# Altium PCB Edison_arduino_5_0826.PcbDoc (part 2 of 6) (continued)
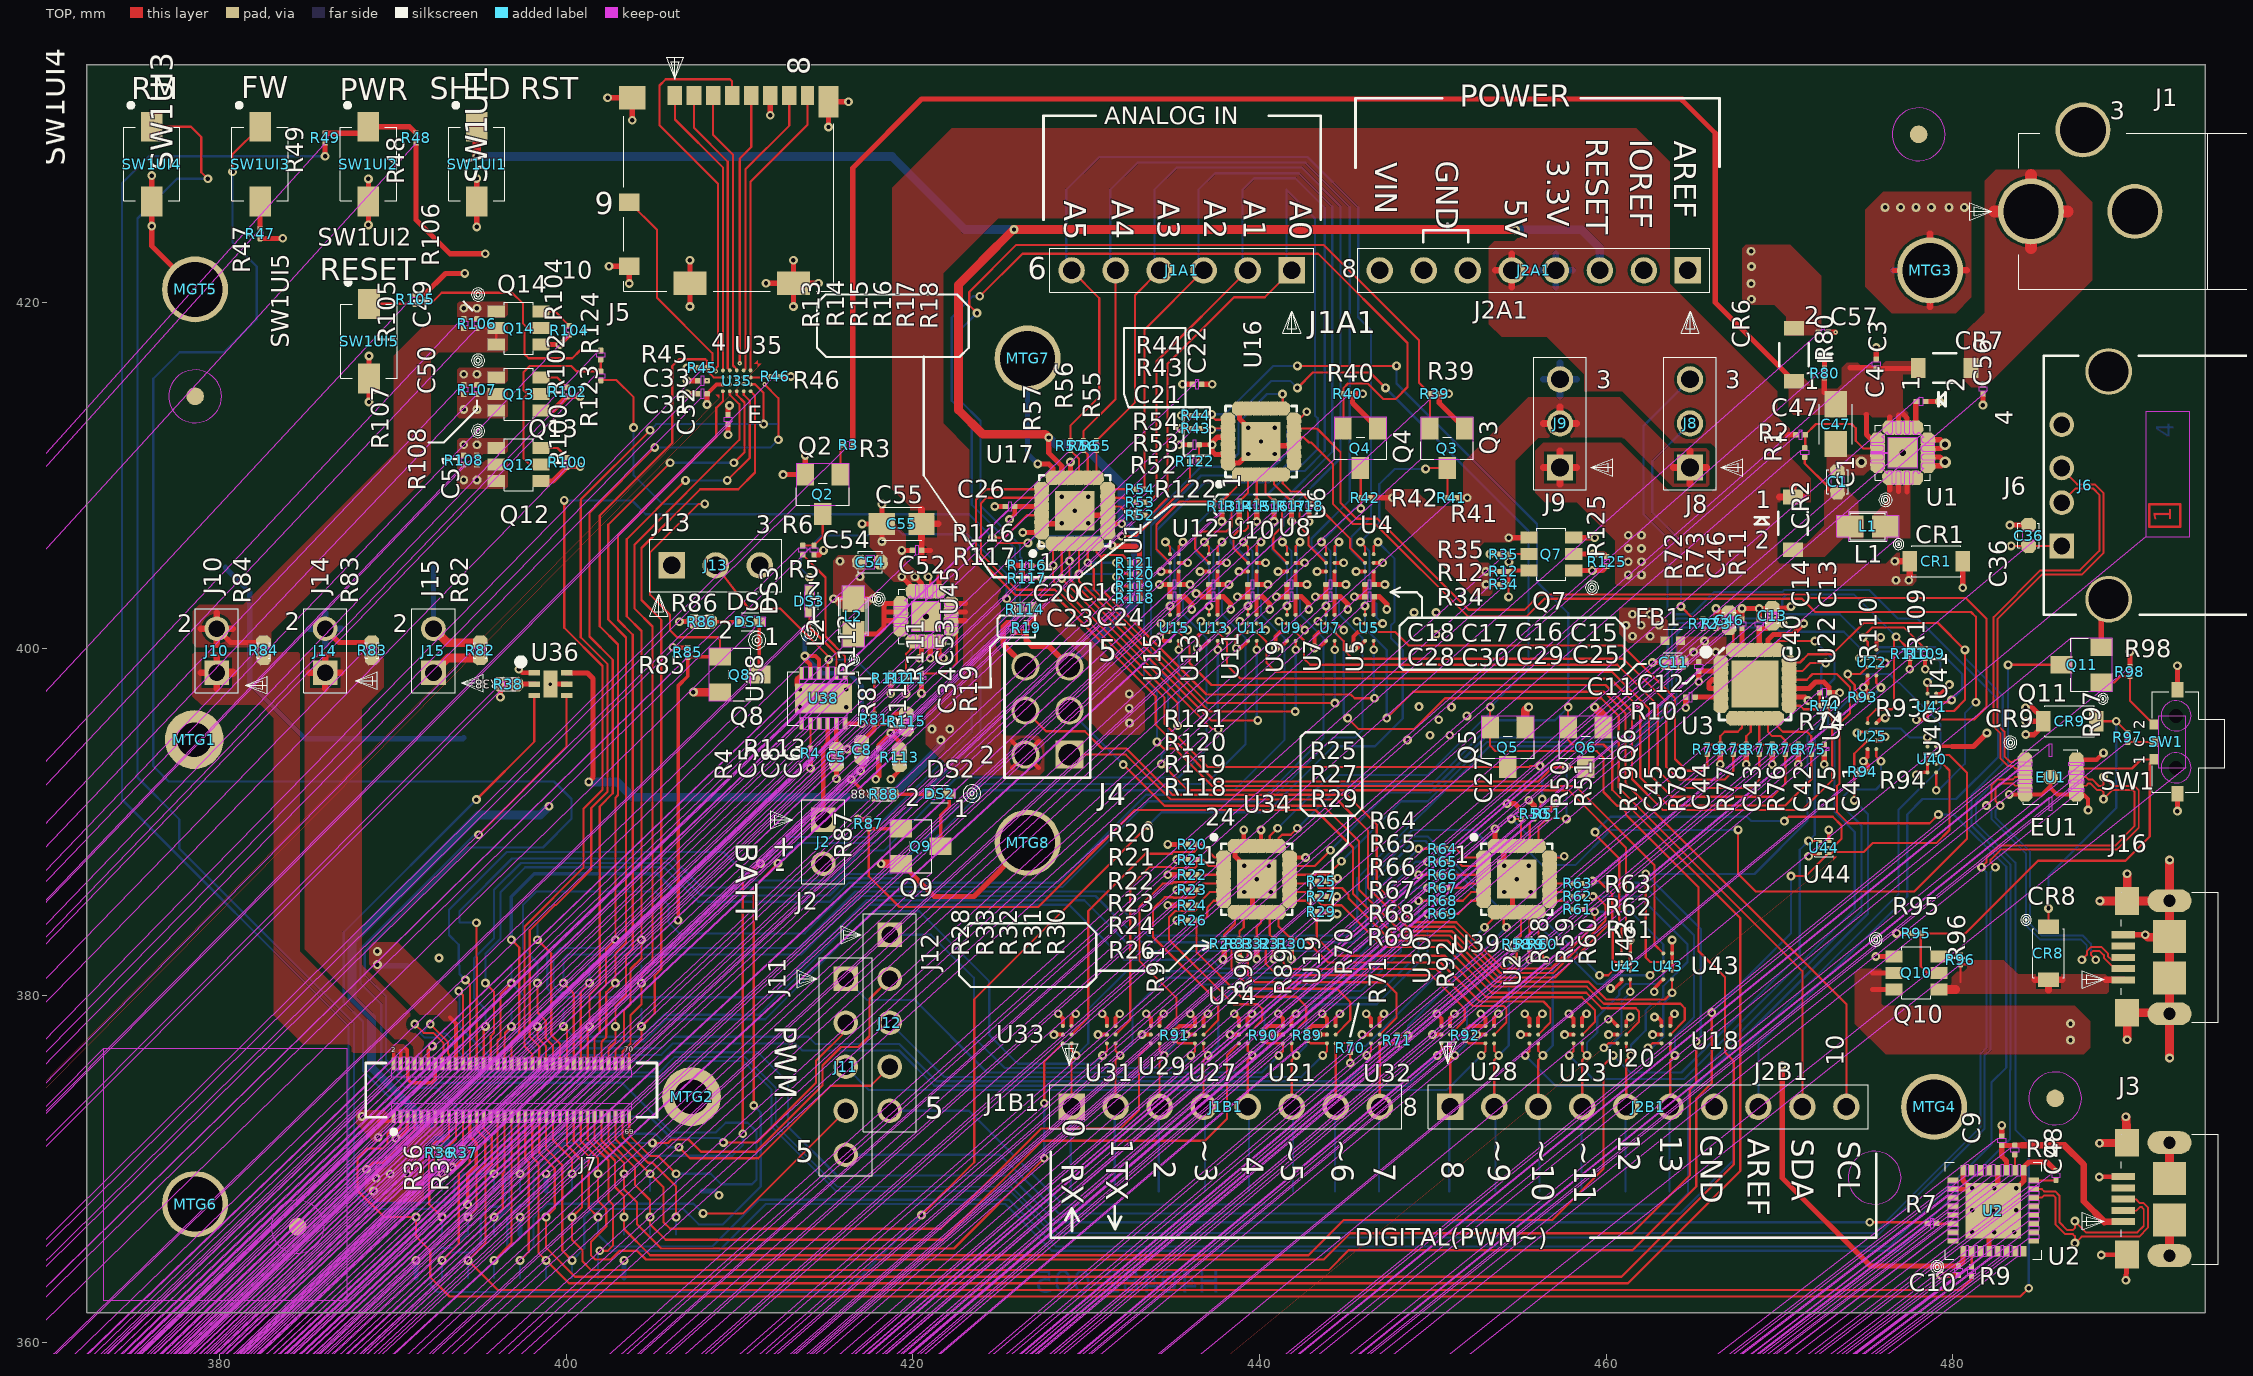
[diagram p0: TOP view]
## Nets (pads, with @x,y where several pads share a name; then routed paths per layer and width w, separated by ;. In a path a pad name is that pad's centre, name@x,y a point inside that pad or via, vN(x,y) a via of type N, cw(c..) or ccw(c..) an arc to the next point about the centre after c; other vN are vias at no path point) (continued)
DIG8: J2B1.1 R58.2 TP78.1 U30.C2 | length 16.4
  TOP w0.127: U30.C2@451,377.248 451,376.817 v1(451.268,376.549) 451,376.28 451,373.586 J2B1.1@451.002,373.583 ; v1(454.635,382.041) 454.839,382.245 R58.2@454.839,382.688
  BOTTOM w0.127: TP78.1@450.952,368.706 450.952,373.532 J2B1.1@451.002,373.583 ; v1(451.268,376.549) 451.968,377.248 451.968,379.374 v1(454.635,382.041)
DIG9: J2B1.2 R59.2 TP79.1 U28.C2 | length 15.7
  TOP w0.127: U28.C2@453.54,377.248 453.54,376.817 v1(453.808,376.549) 453.54,376.28 453.54,373.586 J2B1.2@453.542,373.583 ; v1(455.589,382.073) R59.2@455.589,382.688
  BOTTOM w0.127: J2B1.2@453.542,373.583 453.619,373.507 TP79.1@453.619,368.706 ; v1(453.808,376.549) 454.381,377.121 454.381,380.865 v1(455.589,382.073)
DIG10: J2B1.3 R60.2 TP80.1 U26.C2 | length 15.4
  TOP w0.127: U26.C2@456.08,377.248 456.08,376.817 v1(456.348,376.549) 456.08,376.28 456.08,373.586 J2B1.3@456.082,373.583 ; R60.2@456.339,382.688 456.339,382.242 v1(456.54,382.041)
  BOTTOM w0.127: J2B1.3@456.082,373.583 456.159,373.507 TP80.1@456.159,368.706 ; v1(456.348,376.549) 456.921,377.121 456.921,381.66 v1(456.54,382.041)
DIG11: J2B1.4 J4.4 R61.2 TP81.1 U23.C2 | length 66.4
  TOP w0.127: J4.4@426.491,396.443 427.685,395.249 429.924,395.249 430.913,394.26 432.31,394.26 434.977,391.593 445.039,391.593 446.761,389.872 446.761,386.359 448.893,384.227 451.36,384.227 454.027,381.56 456.821,381.56 459.334,384.073 v1(459.334,384.835) 459.198,384.971 R61.2@458.622,384.971 ; U23.C2@458.62,377.248 458.62,376.817 v1(458.888,376.549) 458.62,376.28 458.62,373.586 J2B1.4@458.622,373.583
  BOTTOM w0.127: TP81.1@458.572,368.706 458.572,373.532 J2B1.4@458.622,373.583 ; v1(458.888,376.549) 458.888,377.278 459.488,377.877 459.488,378.766 460.758,380.036 460.758,380.29 461.139,380.671 462.917,380.671 463.298,381.052 463.298,382.957 461.42,384.835 v1(459.334,384.835)
DIG12: J2B1.5 J4.1 R62.2 TP82.1 U20.C2 | length 65.1
  TOP w0.127: J4.1@429.031,393.903 432.286,393.903 434.877,391.312 444.475,391.312 446.253,389.534 446.253,386.232 448.512,383.973 451.233,383.973 453.9,381.306 456.948,381.306 459.969,384.327 459.969,385.216 459.464,385.721 v1(459.237,385.721) R62.2@458.622,385.721 ; U20.C2@461.16,377.248 461.16,376.817 v1(461.428,376.549) 461.16,376.28 461.16,373.586 J2B1.5@461.162,373.583
  BOTTOM w0.127: v1(459.237,385.721) 461.931,385.721 464.695,382.957 464.695,381.941 463.298,380.544 463.298,379.909 462.917,379.528 462.663,379.528 462.282,379.147 462.282,378.004 461.428,377.151 v1(461.428,376.549) ; TP82.1@461.112,368.706 461.112,373.532 J2B1.5@461.162,373.583
DIG13: J2B1.6 J4.3 R63.2 TP83.1 U18.C2 | length 67.6
  TOP w0.127: v1(432.143,393.332) 434.516,390.958 443.686,390.958 445.745,388.899 445.745,386.105 448.131,383.719 451.106,383.719 453.773,381.052 457.075,381.052 460.35,384.327 460.35,385.851 459.588,386.613 v1(459.207,386.613) 459.065,386.471 R63.2@458.622,386.471 ; U18.C2@463.7,377.248 463.7,376.817 v1(463.968,376.549) 463.7,376.28 463.7,373.586 J2B1.6@463.702,373.583
  BOTTOM w0.127: J4.3@429.031,396.443 v1(432.143,393.332) ; v1(459.207,386.613) 459.307,386.513 462.028,386.513 465.076,383.465 465.076,378.766 463.968,377.659 v1(463.968,376.549) ; TP83.1@463.652,368.706 463.652,373.532 J2B1.6@463.702,373.583
DIG13_1P8: Q9.1 R87.1 U18.C1 U43.A1 | length 65.8
  TOP w0.127: R87.1@417.457,389.636 417.457,386.888 419.229,385.116 427.23,385.116 432.818,390.704 443.232,390.704 445.391,388.545 445.391,385.878 447.804,383.465 450.979,383.465 453.646,380.798 458.98,380.798 459.996,379.782 463.425,379.782 v1(463.806,380.163) 463.802,380.167 U43.A1@463.802,380.937 ; v1(462.409,376.988) 462.669,377.248 U18.C1@463.197,377.248
  TOP w0.2: R87.1@417.457,389.636 Q9.1@419.311,389.636
  BOTTOM w0.127: v1(462.409,376.988) 462.663,376.988 463.298,377.623 463.298,379.528 463.806,380.036 v1(463.806,380.163)
FAULT: J7.19 R36.1 TP19.1 U36.3 | length 39.9
  TOP w0.127: v1(392.839,369.721) 392.354,370.206 392.354,371.066 392.481,371.193 R36.1@392.706,371.193 393.113,371.193 393.639,371.719 J7.19@393.639,373.015 ; v1(394.818,391.312) 398.158,394.653 U36.3@398.158,397.321
  BOTTOM w0.127: TP19.1@392.839,368.721 v1(392.839,369.721) 392.838,369.722 392.838,371.098 388.276,375.659 388.276,378.507 387.162,379.621 387.162,383.657 v1(394.818,391.312)
FW_RCVR: J7.69 SW1UI3.1 TP63.1 | length 127
  TOP w0.127: v1(380.748,427.534) 380.748,428.539 SW1UI3.1@382.339,430.13 ; J7.69@403.639,373.015 403.639,371.95 404.851,370.738 405.322,370.738 v1(406.339,369.721)
  BOTTOM w0.127: v1(380.748,427.534) 380.748,423.47 382.145,422.073 382.145,419.025 380.24,417.12 377.7,417.12 376.176,415.596 376.176,393.244 377.065,392.355 399.29,392.355 400.306,391.339 400.306,390.196 398.655,388.545 394.337,388.545 388.381,382.59 388.381,381.171 389.608,379.944 389.608,376.294 390.933,374.968 403.215,374.968 406.084,372.099 408.624,372.099 409.196,372.67 410.466,372.67 410.974,372.162 410.974,369.368 410.72,369.114 408.942,369.114 408.335,369.721 v1(406.339,369.721) TP63.1@406.339,368.721
GND: C1.2 C3.1 C4.2 C5.2 C6.1 C8.2 C9.1 C10.1 C11.2 C12.1 C13.2 C14.1 C15.1 C16.1 C17.1 C18.1 C19.1 C20.1 C21.1 C22.1 C23.1 C24.1 C25.1 C26.1 C27.1 C28.1 C29.1 C30.1 C31.1 C32.1 C33.1 C34.2 C36.2 C40.2 C41.2 C42.2 C43.2 C44.2 C45.2 C46.2 C47.2 C48.1 C49.1 C50.1 C51.1 C52.1 C53.2 C54.2 C55.2 C56.1 C57.1 EU1.5 EU1.6 EU1.11 J1.2 J2.2 J2A1.6 J2A1.7 J2B1.7 J3.5 J3.MT1 J3.MT2 J3.MT3 J3.MT4 J3.MT5 J3.MT6 J4.6 J5.6 J5.10 J5.G1 J5.G2 J5.G3 J5.G4 J6.4 J6.MH1 J6.MH2 J7.1 J7.5 J7.9 J7.11 J7.13 J7.15 J13.3 J16.5 J16.MT1 J16.MT2 J16.MT3 J16.MT4 J16.MT5 J16.MT6 MGT5.1 MTG1.1 MTG2.1 MTG3.1 MTG4.1 MTG7.1 MTG8.1 Q2.2 Q7.1 Q8.2 Q9.2 Q10.1 Q11.2 Q12.1 Q13.1 Q14.1 R4.1 R6.2 R10.1 R11.1 R13.1 R14.1 R15.1 R16.1 R17.1 R18.1 R20.1 R21.1 R22.1 R23.1 R24.1 R25.1 R26.1 R27.1 R28.1 R29.1 R30.1 R31.1 R32.1 R33.1 R35.1 R37.2 R38.2 R73.1 R80.1 R95.1 R98.1 R106.2 R107.2 R108.2 R109.1 R110.1 R112.1 R125.1 SW1.3 SW1.4 SW1UI1.2 SW1UI2.2 SW1UI4.2 SW1UI5.2 TP2.1 TP6.1 TP10.1 TP12.1 TP13.1 TP15.1 U1.5 U1.6 U1.7 U1.8 U1.15 U1.16 U1.17 U2.4 U2.17 U2.20 U2.24 U2.26 U2.33 U3.2 U3.15 U3.20 U4.B1 U5.C1 U5.D1 U6.B1 U7.C1 U7.D1 U8.B1 U9.C1 U9.D1 U10.B1 U11.C1 U11.D1 U12.B1 U13.C1 U13.D1 U14.B1 U15.C1 U15.D1 U16.9 U16.18 U16.24 U16.25 U17.9 U17.18 U17.23 U17.24 U17.25 U18.B1 U19.B1 U20.B1 U21.B1 U22.B1 U22.C1 U22.D1 U23.B1 U24.B1 U25.B1 U25.C1 U25.D1 U26.B1 U27.B1 U28.B1 U29.B1 U30.B1 U31.B1 U32.B1 U33.B1 U34.9 U34.24 U34.25 U35.C2 U35.C3 U36.5 U36.7 U38.6 U38.13 U39.9 U39.23 U39.24 U39.25 U40.B1 U40.C1 U40.D1 U41.B1 U41.C1 U41.D1 U42.B1 U42.C1 U42.D1 U43.B1 U43.C1 U43.D1 U44.3 U45.6 U45.7 U45.8 U45.15 U45.16 U45.17 | length 462.6
  TOP w0.2: 389.158,372.755 389.153,372.76 389.839,372.76 390.039,372.96 J7.1@390.039,373.015 ; v1(390.169,371.78) 390.322,371.78 390.839,372.297 J7.5@390.839,373.015 ; U42.B1@461.389,381.437 U42.C1@461.389,381.937 U42.D1@461.389,382.437 461.389,383.207 v1(461.393,383.211) ; U43.B1@463.802,381.437 U43.C1@463.802,381.937 U43.D1@463.802,382.437 463.802,383.207 v1(463.806,383.211) ; U44.3@472.844,388.895 v1(472.844,389.561) ; v1(477.903,392.736) 478.042,392.875 U40.D1@478.542,392.875 U40.C1@478.542,393.375 U40.B1@478.542,393.875 ; v1(477.903,395.911) 477.915,395.923 U41.D1@478.542,395.923 U41.C1@478.542,396.423
  TOP w0.203: U41.C1@478.542,396.423 U41.B1@478.542,396.923
  TOP w0.23: v1(428.139,377.749) U33.B1@428.653,377.749 ; v1(430.679,377.749) U31.B1@431.193,377.749 ; v1(433.219,377.749) U29.B1@433.733,377.749 ; U15.D1@434.839,400.471 434.48,400.471 v1(434.241,400.71) 434.502,400.971 U15.C1@434.839,400.971 ; U14.B1@435.34,404.971 v1(435.854,404.971) ; v1(435.759,377.749) U27.B1@436.273,377.749 ; U13.D1@437.089,400.471 436.667,400.05 v1(436.414,400.05) 436.414,400.71 436.675,400.971 U13.C1@437.089,400.971 ; U12.B1@437.59,404.971 v1(438.104,404.971) ; v1(438.299,377.749) U24.B1@438.813,377.749 ; U11.D1@439.339,400.471 438.917,400.05 v1(438.664,400.05) 438.664,400.71 438.925,400.971 U11.C1@439.339,400.971 ; U10.B1@439.84,404.971 v1(440.354,404.971) ; v1(440.839,377.749) U21.B1@441.353,377.749 ; U9.D1@441.589,400.471 441.167,400.05 v1(440.914,400.05) 440.914,400.71 441.175,400.971 U9.C1@441.589,400.971 ; U8.B1@442.09,404.971 v1(442.604,404.971) ; v1(443.379,377.749) U19.B1@443.893,377.749 ; U7.D1@443.839,400.471 443.417,400.05 v1(443.164,400.05) 443.164,400.71 443.425,400.971 U7.C1@443.839,400.971 ; U6.B1@444.34,404.971 v1(444.854,404.971) ; v1(445.919,377.749) U32.B1@446.433,377.749 ; U5.D1@446.089,400.471 445.667,400.05 v1(445.414,400.05) 445.414,400.71 445.675,400.971 U5.C1@446.089,400.971 ; U4.B1@446.59,404.971 v1(447.104,404.971) ; v1(449.983,377.749) U30.B1@450.497,377.749 ; v1(452.523,377.749) U28.B1@453.037,377.749 ; v1(455.063,377.749) U26.B1@455.577,377.749 ; v1(457.603,377.749) U23.B1@458.117,377.749 ; v1(460.143,377.749) U20.B1@460.657,377.749 ; v1(462.683,377.749) U18.B1@463.197,377.749 ; U25.B1@475.589,394.721 475.883,394.721 v1(476.098,394.936) 475.813,395.221 U25.C1@475.589,395.221 ; U25.D1@475.589,395.721 475.887,396.019 v1(476.098,396.019) ; U22.B1@475.589,398.971 475.883,398.971 v1(476.098,399.186) 475.813,399.471 U22.C1@475.589,399.471 ; U22.D1@475.589,399.971 475.589,400.424 v1(475.836,400.671) ; v1(477.522,398.832) R110.1@477.522,399.467 ; v1(478.411,398.832) R109.1@478.411,399.467 ; v1(483.253,391.61) EU1.5@484.17,391.61 485.158,391.61 485.643,392.095 ; EU1.11@485.643,392.609 485.643,392.095 ; v1(487.809,390.704) 487.809,391.339 487.538,391.61 EU1.6@487.129,391.61 486.014,391.61 485.643,391.981 485.643,392.095
  TOP w0.25: U38.6@413.589,398.606 413.589,398.527 413.438,398.376 413.408,398.376 413.335,398.303 413.335,398.273 413.309,398.247 413.309,397.894 414.052,397.151 v1(414.839,397.151) ; v1(435.358,411.786) C21.1@435.98,411.786
  TOP w0.3: v1(376.089,427.313) SW1UI4.2@376.089,425.812 v1(376.089,424.399) 376.089,423.249 MGT5.1@378.587,420.751 ; v1(388.589,424.465) SW1UI2.2@388.589,425.812 v1(388.589,427.12) ; v1(388.622,414.249) SW1UI5.2@388.622,415.596 v1(388.622,416.904) ; v1(393.421,370.103) 393.675,370.103 394.029,370.457 R37.2@394.029,370.671 ; v1(394.839,424.353) SW1UI1.2@394.839,425.812 v1(394.839,427.147) ; v1(396.2,397.211) R38.2@396.2,397.971 ; U36.7@399.089,397.971 U36.5@400.019,397.971 ; v1(402.39,431.803) J5.G1@403.812,431.803 v1(403.812,430.507) ; v1(402.469,422.078) J5.10@403.637,422.078 v1(403.637,421.087) ; v1(406.974,414.721) C31.1@407.589,414.721 ; v1(406.974,415.471) C33.1@407.589,415.471 ; v1(407.137,419.762) J5.G4@407.137,421.103 v1(407.137,422.426) ; v1(409.339,412.356) C32.1@409.339,412.971 ; v1(411.527,421.103) J5.G3@413.107,421.103 ; v1(411.772,430.797) J5.6@411.772,431.928 ; v1(412.516,410.063) Q2.2@413.787,410.063 v1(413.787,411.17) ; v1(413.107,419.762) J5.G3@413.107,421.103 ; v1(413.107,422.426) J5.G3@413.107,421.103 ; v1(414.089,393.123) R4.1@414.089,393.721 ; R6.2@414.3,405.435 414.601,405.435 414.844,405.678 v1(414.844,405.69) ; v1(414.557,421.103) J5.G3@413.107,421.103 ; v1(415.132,430.118) J5.G2@415.132,431.578 v1(416.287,431.578) ; v1(415.589,392.512) C5.2@415.589,393.332 ; v1(416.984,392.963) 417.048,393.028 C8.2@417.048,393.728 ; v1(417.07,407.214) C55.2@418.213,407.214 ; v1(417.855,392.481) 418.034,392.66 C6.1@418.034,393.718 ; v1(418.213,406.198) C55.2@418.213,407.214 ; v1(418.213,408.357) C55.2@418.213,407.214 ; v1(418.721,397.435) R112.1@418.721,398.058 ; Q9.2@419.311,387.604 419.354,387.604 421.234,385.724 423.52,385.724 MTG8.1@426.618,388.823 ; v1(419.356,404.166) 420.003,403.519 U45.16@420.003,403.328 ; v1(419.356,405.69) C52.1@419.978,405.69 ; v1(420.118,404.166) 420.504,403.78 U45.15@420.504,403.328 ; v1(420.372,399.467) 420.501,399.597 U45.6@420.501,400.433 ; v1(420.499,397.435) C53.2@420.499,398.058 ; U45.7@421.001,400.433 421.001,399.473 v1(421.007,399.467) ; U45.8@421.502,400.433 421.502,399.734 v1(421.769,399.467) ; v1(424.724,408.221) C26.1@425.339,408.221 ; v1(426.336,406.721) U17.24@427.433,406.721 ; v1(427.203,410.68) 427.838,410.68 428.089,410.429 U17.18@428.089,409.877 ; U17.23@427.433,407.221 428.589,407.221 v1(429.339,407.971) 429.589,407.721 U17.9@431.244,407.721 ; v1(434.224,403.721) C20.1@434.839,403.721 C23.1@434.839,403.016 ; v1(434.707,385.216) 434.708,385.217 R24.1@435.839,385.217 ; v1(434.707,386.97) 434.708,386.971 R22.1@435.839,386.971 ; v1(434.707,388.724) 434.708,388.725 R20.1@435.839,388.725 ; v1(435.224,384.34) R26.1@435.839,384.34 ; v1(435.224,386.094) R23.1@435.839,386.094 ; v1(435.224,387.848) R21.1@435.839,387.848 ; v1(436.342,403.195) 436.289,403.195 436.289,403.272 436.339,403.222 436.489,403.222 436.695,403.016 C24.1@437.089,403.016 C19.1@437.089,403.721 ; C22.1@436.659,415.272 v1(437.274,415.272) ; v1(437.831,407.356) R13.1@437.831,407.971 ; v1(437.896,382.092) 437.962,382.158 R28.1@437.962,382.721 ; U16.24@438.183,410.721 438.569,410.721 438.571,410.724 438.822,410.724 v1(439.35,411.251) ; U34.24@438.589,388.627 438.589,388.04 v1(439.127,387.502) ; v1(438.724,403.016) C28.1@439.339,403.016 C18.1@439.339,403.721 ; v1(438.835,407.356) R14.1@438.835,407.971 ; v1(438.839,382.106) R33.1@438.839,382.721 ; U16.18@438.839,413.877 438.839,413.286 v1(439.35,412.775) ; U34.9@439.589,384.816 439.589,386.471 v1(439.839,386.721) ; v1(439.839,382.106) R32.1@439.839,382.721 ; v1(439.839,407.356) R15.1@439.839,407.971 ; v1(440.089,411.971) 440.339,411.721 U16.9@441.994,411.721 ; v1(440.843,382.106) R31.1@440.843,382.721 ; v1(440.843,407.356) R16.1@440.843,407.971 ; v1(440.974,403.016) C30.1@441.589,403.016 C17.1@441.589,403.721 ; v1(441.847,382.106) R30.1@441.847,382.721 ; v1(441.847,407.356) R17.1@441.847,407.971 ; v1(442.851,407.356) R18.1@442.851,407.971 ; v1(443.224,403.016) C29.1@443.839,403.016 C16.1@443.839,403.721 ; R29.1@443.839,384.844 444.339,384.844 v1(444.475,384.708) ; R27.1@443.839,385.721 v1(444.454,385.721) ; R25.1@443.839,386.598 444.333,386.598 v1(444.5,386.766) ; v1(445.474,403.016) C25.1@446.089,403.016 C15.1@446.089,403.721 ; v1(453.3,405.471) R35.1@453.839,405.471 ; U39.24@453.589,388.627 v1(453.589,389.631) ; U39.23@454.089,388.627 454.089,387.54 v1(454.127,387.502) ; v1(454.281,391.085) 454.725,391.085 C27.1@455.089,390.721 ; U39.9@454.589,384.816 454.589,386.471 v1(454.839,386.721) ; Q7.1@458.134,404.521 v1(459.206,404.521) 459.788,404.521 R125.1@460.039,404.772 ; v1(462.671,399.221) C11.2@463.45,399.221 ; v1(464.589,396.606) R10.1@464.589,397.221 ; v1(465.339,398.106) C12.1@465.339,398.721 U3.2@466.614,398.721 ; R73.1@466.339,401.721 v1(466.339,402.336) 466.565,402.11 C46.2@467.089,402.11 467.613,402.11 v1(467.839,402.336) ; v1(466.589,393.34) C45.2@466.589,393.955 ; R11.1@467.839,401.721 v1(467.839,402.336) ; v1(468.089,393.34) C44.2@468.089,393.955 ; C14.1@468.839,401.721 v1(468.839,402.336) ; U3.20@469.339,399.946 469.339,400.537 469.639,400.837 470.764,400.837 v1(471.399,401.472) ; v1(469.589,393.34) C43.2@469.589,393.955 ; U3.15@470.564,397.721 471.712,397.721 472.082,398.092 472.555,398.092 472.855,397.792 C40.2@472.855,397.471 v1(473.47,397.471) ; v1(470.664,402.452) 470.572,402.36 C13.2@469.589,402.36 469.565,402.336 v1(468.839,402.336) ; v1(471.089,393.34) C42.2@471.089,393.955 ; v1(472.589,393.34) C41.2@472.589,393.955 ; R80.1@472.601,416.184 v1(472.601,416.831) ; C57.1@472.789,418.272 v2(473.239,418.272) ; v1(475.556,382.256) Q10.1@476.608,382.256 ; C3.1@475.589,416.721 v1(475.589,417.394) ; 476.608,421.843 MTG3.1@478.688,421.843 ; v1(476.76,383.592) R95.1@477.636,383.592 ; C4.2@478.435,414.274 v1(479.23,414.274) ; U1.5@478.561,410.57 479.34,410.57 v3(479.555,410.784) 479.269,411.07 U1.6@478.561,411.07 ; U1.7@478.561,411.57 479.325,411.57 v3(479.555,411.8) 479.285,412.071 U1.8@478.561,412.071 ; v1(479.3,363.86) C10.1@480.328,363.86 ; U2.26@480.013,368.84 481.087,368.84 v1(481.127,368.879) ; U2.24@480.597,369.925 480.597,369.341 v1(482.348,367.59) ; v1(481.739,414.072) C56.1@481.739,414.722 ; U2.4@482.096,365.256 482.096,366.039 v1(482.397,366.339) ; v1(482.397,368.879) 482.599,369.082 U2.20@482.599,369.925 ; C9.1@482.828,371.894 v1(482.828,372.512) ; v1(483.298,407.148) C36.2@484.38,407.148 ; v1(483.667,368.879) 484.098,369.311 U2.17@484.098,369.925 484.098,370.103 484.398,370.403 485.445,370.403 C48.1@485.953,369.895 ; v1(488.451,369.537) J3.5@489.833,369.559 ; v1(488.564,365.037) J3.MT5@490.058,365.06 v1(489.99,363.583) ; Q11.2@488.571,400.1 488.571,402.449 J6.MH1@488.995,402.873 ; J16.5@489.833,383.511 v1(491.109,383.511) ; R98.1@490.222,398.959 v1(490.222,399.848) ; v1(492.959,390.647) SW1.3@492.959,391.641 ; SW1.4@492.959,397.641 v1(492.959,399.029) ; v1(467.839,402.336) v1(468.839,402.336)
  TOP w0.33: C34.2@425.79,401.51 425.451,401.51 425.218,401.276 425.218,400.257 J4.6@426.491,398.983
  TOP w0.381: 478.688,419.735 MTG3.1@478.688,421.843 ; 478.688,423.952 MTG3.1@478.688,421.843 ; 480.797,421.843 MTG3.1@478.688,421.843
  TOP w0.5: v1(407.34,397.51) Q8.2@408.864,397.51 ; v1(418.16,387.604) Q9.2@419.311,387.604 ; v1(488.464,371.487) J3.MT6@490.058,371.509 v1(489.99,373.009) ; v1(488.487,385.461) J16.MT6@490.058,385.461 ; v1(490.058,377.45) J16.MT5@490.058,379.012 491.957,379.012 J16.MT3@492.508,378.461 ; v1(490.058,387.032) J16.MT6@490.058,385.461 ; v1(491.109,383.511) 491.258,383.362 J16.MT2@492.508,383.362 ; J3.MT3@492.508,365 J3.MT1@492.508,367.059 ; J3.MT2@492.508,369.46 J3.MT4@492.508,371.519 ; v1(492.508,376.401) J16.MT3@492.508,378.461 ; v1(492.508,387.827) J16.MT4@492.508,385.962 ; J16.MT6@490.058,385.461 492.007,385.461 J16.MT4@492.508,385.962 ; J16.MT3@492.508,378.461 J16.MT3@492.508,378.952 J16.MT1@492.508,381.011 J16.MT2@492.508,383.362 ; J16.MT2@492.508,383.362 J16.MT2@492.508,383.412 J16.MT4@492.508,385.471 J16.MT4@492.508,385.962
  GND w0.254: 425.721,398.213 J4.6@426.491,398.983 ; 425.721,399.753 J4.6@426.491,398.983 ; 427.262,398.213 J4.6@426.491,398.983 ; 427.262,399.753 J4.6@426.491,398.983 ; 485.587,412.247 J6.4@486.285,412.945 ; 485.587,413.642 J6.4@486.285,412.945 ; 486.982,412.247 J6.4@486.285,412.945 ; 486.982,413.642 J6.4@486.285,412.945
  GND w0.381: 376.479,420.751 MGT5.1@378.587,420.751 ; 376.828,394.772 MTG1.1@378.539,394.772 ; 378.539,393.061 MTG1.1@378.539,394.772 ; 378.539,396.484 MTG1.1@378.539,394.772 ; 378.587,418.643 MGT5.1@378.587,420.751 ; 378.587,422.859 MGT5.1@378.587,420.751 ; 380.251,394.772 MTG1.1@378.539,394.772 ; 380.695,420.751 MGT5.1@378.587,420.751 ; 405.518,374.172 MTG2.1@407.229,374.172 ; 407.229,372.461 MTG2.1@407.229,374.172 ; 407.229,375.884 MTG2.1@407.229,374.172 ; 408.941,374.172 MTG2.1@407.229,374.172 ; 410.203,404.821 J13.3@411.169,404.821 ; 411.169,403.856 J13.3@411.169,404.821 ; 411.169,405.787 J13.3@411.169,404.821 ; 412.134,404.821 J13.3@411.169,404.821 ; 413.924,387.604 J2.2@414.839,387.604 ; 414.839,386.689 J2.2@414.839,387.604 ; 414.839,388.519 J2.2@414.839,387.604 ; 415.753,387.604 J2.2@414.839,387.604 ; 424.51,388.823 MTG8.1@426.618,388.823 ; 424.51,416.763 MTG7.1@426.618,416.763 ; 426.618,386.715 MTG8.1@426.618,388.823 ; 426.618,390.932 MTG8.1@426.618,388.823 ; 426.618,414.655 MTG7.1@426.618,416.763 ; 426.618,418.872 MTG7.1@426.618,416.763 ; 428.727,388.823 MTG8.1@426.618,388.823 ; 428.727,416.763 MTG7.1@426.618,416.763 ; 448.513,421.843 J2A1.7@449.478,421.843 ; 449.478,420.878 J2A1.7@449.478,421.843 ; 449.478,422.809 J2A1.7@449.478,421.843 ; 450.444,421.843 J2A1.7@449.478,421.843 ; 451.053,421.843 J2A1.6@452.018,421.843 ; 452.018,420.878 J2A1.6@452.018,421.843 ; 452.018,422.809 J2A1.6@452.018,421.843 ; 452.984,421.843 J2A1.6@452.018,421.843 ; 465.277,373.583 J2B1.7@466.242,373.583 ; 466.242,372.618 J2B1.7@466.242,373.583 ; 466.242,374.549 J2B1.7@466.242,373.583 ; 467.208,373.583 J2B1.7@466.242,373.583 ; 476.58,421.843 MTG3.1@478.688,421.843 ; 476.81,373.583 MTG4.1@478.918,373.583 ; 478.688,419.735 MTG3.1@478.688,421.843 ; 478.688,423.952 MTG3.1@478.688,421.843 ; 478.918,371.475 MTG4.1@478.918,373.583 ; 478.918,375.692 MTG4.1@478.918,373.583 ; 480.797,421.843 MTG3.1@478.688,421.843 ; 481.027,373.583 MTG4.1@478.918,373.583 ; 488.716,425.248 J1.2@490.507,425.248 ; 490.507,423.457 J1.2@490.507,425.248 ; 490.507,427.039 J1.2@490.507,425.248 ; 491.034,365 J3.MT3@492.508,365 ; 491.034,371.519 J3.MT4@492.508,371.519 ; 491.034,378.952 J16.MT3@492.508,378.952 ; 491.034,385.471 J16.MT4@492.508,385.471 ; 492.298,425.248 J1.2@490.507,425.248 ; 492.508,364.136 J3.MT3@492.508,365 ; 492.508,365.863 J3.MT3@492.508,365 ; 492.508,370.655 J3.MT4@492.508,371.519 ; 492.508,372.383 J3.MT4@492.508,371.519 ; 492.508,378.088 J16.MT3@492.508,378.952 ; 492.508,379.815 J16.MT3@492.508,378.952 ; 492.508,384.607 J16.MT4@492.508,385.471 ; 492.508,386.335 J16.MT4@492.508,385.471
  GND w0.406: 487.848,401.726 J6.MH1@488.995,402.873 ; 487.848,404.021 J6.MH1@488.995,402.873 ; 487.848,414.866 J6.MH2@488.995,416.013 ; 487.848,417.16 J6.MH2@488.995,416.013 ; 490.142,401.726 J6.MH1@488.995,402.873 ; 490.142,404.021 J6.MH1@488.995,402.873 ; 490.142,414.866 J6.MH2@488.995,416.013 ; 490.142,417.16 J6.MH2@488.995,416.013
  PWR_GND w0.254: 485.587,412.247 J6.4@486.285,412.945 ; 485.587,413.642 J6.4@486.285,412.945 ; 486.982,412.247 J6.4@486.285,412.945 ; 486.982,413.642 J6.4@486.285,412.945
  PWR_GND w0.381: 376.479,420.751 MGT5.1@378.587,420.751 ; 376.828,394.772 MTG1.1@378.539,394.772 ; 378.539,393.061 MTG1.1@378.539,394.772 ; 378.539,396.484 MTG1.1@378.539,394.772 ; 378.587,418.643 MGT5.1@378.587,420.751 ; 378.587,422.859 MGT5.1@378.587,420.751 ; 380.251,394.772 MTG1.1@378.539,394.772 ; 380.695,420.751 MGT5.1@378.587,420.751 ; 405.518,374.172 MTG2.1@407.229,374.172 ; 407.229,372.461 MTG2.1@407.229,374.172 ; 407.229,375.884 MTG2.1@407.229,374.172 ; 408.941,374.172 MTG2.1@407.229,374.172 ; 476.58,421.843 MTG3.1@478.688,421.843 ; 476.81,373.583 MTG4.1@478.918,373.583 ; 478.688,419.735 MTG3.1@478.688,421.843 ; 478.688,423.952 MTG3.1@478.688,421.843 ; 478.918,371.475 MTG4.1@478.918,373.583 ; 478.918,375.692 MTG4.1@478.918,373.583 ; 480.797,421.843 MTG3.1@478.688,421.843 ; 481.027,373.583 MTG4.1@478.918,373.583 ; 488.716,425.248 J1.2@490.507,425.248 ; 490.507,423.457 J1.2@490.507,425.248 ; 490.507,427.039 J1.2@490.507,425.248 ; 491.034,378.952 J16.MT3@492.508,378.952 492.508,379.815 ; 491.034,385.471 J16.MT4@492.508,385.471 ; 492.298,425.248 J1.2@490.507,425.248 ; 492.508,384.607 J16.MT4@492.508,385.471 ; 492.508,386.335 J16.MT4@492.508,385.471
  PWR_GND w0.406: 487.848,401.726 J6.MH1@488.995,402.873 ; 487.848,404.021 J6.MH1@488.995,402.873 ; 487.848,414.866 J6.MH2@488.995,416.013 ; 487.848,417.16 J6.MH2@488.995,416.013 ; 490.142,401.726 J6.MH1@488.995,402.873 ; 490.142,404.021 J6.MH1@488.995,402.873 ; 490.142,414.866 J6.MH2@488.995,416.013 ; 490.142,417.16 J6.MH2@488.995,416.013
  BOTTOM w0.3: v1(388.884,368.721) TP6.1@389.839,368.721 v1(389.839,369.721) ; TP2.1@391.339,363.721 v1(391.339,364.721) ; TP12.1@397.339,366.221 v1(397.339,367.221) ; TP10.1@398.839,368.721 v1(398.839,369.721) ; TP15.1@403.339,363.721 v1(403.339,364.721) ; TP13.1@407.839,368.721 408.573,368.721 v1(408.815,368.479) ; MTG7.1@426.618,416.763 426.618,411.265 v1(427.203,410.68)
  BOTTOM w0.381: 476.58,421.843 MTG3.1@478.688,421.843 ; 478.688,419.735 MTG3.1@478.688,421.843 ; 478.688,423.952 MTG3.1@478.688,421.843 ; 480.797,421.843 MTG3.1@478.688,421.843
  other v1: 481.127,366.339 483.54,366.339 481.127,367.609 483.667,367.609 389.026,369.468 390.83,369.697 389.158,371.826 388.219,373.03 439.127,385.978 440.651,385.978 454.127,385.978 455.651,385.978 440.524,387.502 455.524,387.502 413.487,396.646 416.154,396.646 413.487,397.662 416.154,397.662 428.6,407.251 430.124,407.251 428.6,408.775 430.124,408.775 440.874,411.251 394.083,411.786 394.845,411.786 440.874,412.775 394.083,415.85 394.845,415.85 394.083,419.66 394.845,419.66 476.098,425.475 476.987,425.475 477.876,425.475 478.765,425.475 479.781,425.475 480.67,425.475
  other v2: 409.839,415.271 409.839,415.672
  other v3: 474.729,410.784
GP12_PWM0: J7.35 J12.2 TP34.1 | length 43.7
  TOP w0.127: v1(395.839,364.721) 396.839,365.722 J7.35@396.839,373.015 ; v1(404.978,371.5) 405.867,371.5 406.07,371.704 407.06,371.704 407.772,370.992 410.947,370.992 414.784,374.829 414.784,375.972 415.849,377.038 416.865,377.038 417.5,377.673 417.5,379.806 J12.2@418.668,380.975
  BOTTOM w0.127: TP34.1@395.839,363.721 v1(395.839,364.721) 396.596,365.478 396.596,367.182 397.358,367.944 397.866,367.944 398.12,368.198 398.12,369.722 399.898,371.5 v1(404.978,371.5)
GP13_PWM1: J7.33 J11.2 TP32.1 | length 36.8
  TOP w0.127: v1(395.839,367.221) 396.339,367.721 396.339,369.721 396.439,369.822 J7.33@396.439,373.015 ; v1(409.069,371.527) 410.974,371.527 414.403,374.956 414.403,376.226 416.128,377.952 J11.2@416.128,378.435
  BOTTOM w0.127: TP32.1@395.839,366.221 v1(395.839,367.221) 396.127,367.221 396.723,367.817 396.723,372.135 397.612,373.024 404.799,373.024 406.042,371.781 408.815,371.781 v1(409.069,371.527)
GP14: J7.48 TP41.1 U6.C1 | length 77.4
  TOP w0.127: v1(398.339,380.721) 398.339,379.028 398.818,378.549 398.818,377.528 399.239,377.107 J7.48@399.239,376.072 ; U6.C1@444.34,405.472 444.34,405.927 v1(444.585,406.171)
  BOTTOM w0.127: v1(398.339,380.721) TP41.1@398.339,381.721 398.339,381.876 397.512,382.703 397.512,385.243 398.274,386.005 405.132,386.005 405.894,385.243 405.894,384.227 406.529,383.592 413.768,383.592 416.435,386.259 428.627,386.259 433.58,391.212 440.565,391.212 444.248,394.895 445.518,394.895 445.935,395.313 445.935,400.653 444.585,402.004 444.585,402.873 444.41,403.048 444.41,405.996 v1(444.585,406.171)
GP15: J7.42 R122.1 TP88.1 U17.22 | length 79.2
  TOP w0.127: J7.42@398.039,376.072 398.039,376.622 397.589,377.072 397.589,383.972 400.989,387.372 400.989,390.772 402.089,391.872 402.089,399.022 399.889,401.222 v1(399.889,408.572) ; v1(426.639,406.122) 424.889,406.122 v1(424.589,406.422) 425.289,406.422 426.588,407.721 U17.22@427.433,407.721 ; v1(432.043,406.503) 432.043,406.426 432.139,406.426 432.139,406.522 432.889,406.522 435.939,409.572 435.989,409.572 R122.1@435.989,410.822
  BOTTOM w0.127: v1(399.889,408.572) 403.789,408.572 404.589,407.772 TP88.1@422.489,407.772 423.239,407.772 v1(424.589,406.422) ; v1(426.639,406.122) 426.689,406.122 427.089,406.522 432.139,406.522 432.139,406.426 432.043,406.426 v1(432.043,406.503)
GP19: J7.41 Q6.2 R44.1 TP37.1 U16.19 U34.19 | length 171.4
  TOP w0.127: J7.41@398.039,373.015 398.039,370.692 398.394,370.337 398.394,365.166 v1(398.839,364.721) 400.161,363.399 461.266,363.399 467.743,369.876 467.743,384.482 460.35,391.874 460.35,393.979 459.842,394.487 458.064,394.487 457.807,394.744 Q6.2@457.807,395.471 457.807,396.516 457.81,396.519 v1(457.81,396.646) ; R44.1@436.589,413.471 437.17,413.471 v1(437.236,413.537) 437.236,413.439 437.454,413.221 U16.19@438.183,413.221 ; U34.19@441.089,388.627 441.089,389.069 441.3,389.28 441.808,389.28 v1(442.189,389.661) ; v1(442.189,416.331) v1(447.904,416.331)
  BOTTOM w0.127: TP37.1@398.839,363.721 v1(398.839,364.721) ; v1(437.236,413.537) 437.998,413.537 440.792,416.331 v1(442.189,416.331) ; v1(442.189,389.661) 444.756,392.228 449.963,392.228 453.619,395.884 457.048,395.884 v1(457.81,396.646) 457.81,402.057 456.006,403.86 456.006,407.213 447.904,415.315 v1(447.904,416.331)

## Text inside footprints (layer, text, board x,y; h text height)
FB1: CONSTRUCTION "12-15-10" at 466.633,391.581 h0.79 r180; CONSTRUCTION "REV1" at 465.21,398.871 h1.02 r90; CONSTRUCTION "SMF0402" at 466.506,387.644 h0.79 r180; CONSTRUCTION "2 PLCS" at 456.727,397.804 h0.79 r180; CONSTRUCTION "S20" at 456.813,396.492 h0.79 r180; CONSTRUCTION "LPID: 1143" at 466.506,390.184 h0.79 r180; CONSTRUCTION "BODY" at 468.792,394.756 h0.79 r180; CONSTRUCTION "BODY" at 469.046,406.821 h0.79 r180; CONSTRUCTION "1.1" at 468.728,397.97 h0.79 r180; CONSTRUCTION "0.6" at 468.728,405.082 h0.79 r180; CONSTRUCTION "0.89" at 460.105,405.463 h0.79 r180; CONSTRUCTION "1" at 464.029,400.471 h0.64 r180; CONSTRUCTION "2" at 463.14,400.471 h0.64 r180
J1: CONSTRUCTION "01-25-06" at 504.973,431.057 h0.79 r270; CONSTRUCTION "RAY PEARSON" at 506.624,431.057 h0.79 r270; CONSTRUCTION "JK_3P_RA" at 511.831,431.057 h0.79 r270; CONSTRUCTION "REV1" at 510.18,431.057 h0.79 r270; CONSTRUCTION "2 PLCS" at 494.684,417.115 h0.79 r270; CONSTRUCTION "C125P105" at 495.997,417.201 h0.79 r270; CONSTRUCTION "CUI P/N:PJ-002BH" at 508.525,431.126 h0.79 r270; CONSTRUCTION "C150P125" at 473.449,416.866 h0.79 r270; CONSTRUCTION "3" at 488.91,431.097 h0.64 r270; CONSTRUCTION "9" at 502.024,423.572 h0.79 r270; CONSTRUCTION "14.4" at 491.798,407.657 h0.79; CONSTRUCTION "10.7" at 493.262,443.62 h0.79; CONSTRUCTION "3" at 496.565,435.537 h0.79; CONSTRUCTION "3" at 481.504,435.537 h0.79; CONSTRUCTION "4.7" at 471.713,427.119 h0.79 r270; CONSTRUCTION "3" at 486.999,429.948 h0.64 r270; CONSTRUCTION "2" at 489.999,425.248 h0.64 r270; CONSTRUCTION "1" at 483.999,425.248 h0.64 r270; Top Overlay "3" at 489.052,430.557 h1.02
J1A1: CONSTRUCTION "2.54" at 433.095,425.285 h0.79 r180; CONSTRUCTION "2.54" at 418.998,425.793 h0.79 r180; CONSTRUCTION "15.24" at 435.013,430.111 h0.79 r180; CONSTRUCTION "12.7" at 434.746,427.825 h0.79 r180; CONSTRUCTION "BODY" at 434.122,431.876 h0.79 r180; CONSTRUCTION "TYP" at 435.254,426.542 h0.79 r180; CONSTRUCTION "MOLEX 90147_1106" at 441.165,406.608 h0.79 r180; CONSTRUCTION "6" at 428.777,423.545 h0.64; CONSTRUCTION "C52P32" at 418.068,414.942 h0.79 r180; CONSTRUCTION "5 PLCS" at 417.982,416.255 h0.79 r180; CONSTRUCTION "BODY" at 418.12,427.431 h0.79 r180; CONSTRUCTION "1X6RCPT_2P54_VT_TH" at 441.096,403.428 h0.79 r180; CONSTRUCTION "REV3" at 441.096,404.952 h0.79 r180; CONSTRUCTION "RE OTIS" at 441.096,408.508 h0.79 r180; CONSTRUCTION "07-16-14" at 441.096,410.159 h0.79 r180; CONSTRUCTION "S52P32" at 446.661,429.789 h0.79 r180; CONSTRUCTION "1 PLCS" at 446.715,431.241 h0.79 r180; CONSTRUCTION "1" at 441.604,421.843 h0.64 r180; CONSTRUCTION "2" at 439.064,421.843 h0.64 r180; CONSTRUCTION "3" at 436.524,421.843 h0.64 r180; CONSTRUCTION "4" at 433.984,421.843 h0.64 r180; CONSTRUCTION "6" at 428.904,421.843 h0.64 r180; CONSTRUCTION "5" at 431.444,421.843 h0.64 r180; Top Overlay "6" at 426.618,421.335 h1.27
J1B1: CONSTRUCTION "2.54" at 456.844,368.871 h0.79; CONSTRUCTION "20.32" at 438.671,363.918 h0.79; CONSTRUCTION "17.78" at 438.798,366.585 h0.79; CONSTRUCTION "2.54" at 441.731,368.618 h0.79; CONSTRUCTION "BODY" at 436.789,362.28 h0.79; CONSTRUCTION "BODY" at 455.839,367.36 h0.79; CONSTRUCTION "TYP" at 439.826,369.9 h0.79; CONSTRUCTION "MOLEX 90147_1108" at 434.17,387.04 h0.79; CONSTRUCTION "8" at 448.589,372.44 h0.64; CONSTRUCTION "C52P32" at 458.409,380.738 h0.79; CONSTRUCTION "7 PLCS" at 458.495,379.425 h0.79; CONSTRUCTION "1X8RCPT_2P54_VT_TH" at 434.111,390.093 h0.79; CONSTRUCTION "REV3" at 434.239,388.696 h0.79; CONSTRUCTION "RE OTIS" at 434.239,385.14 h0.79; CONSTRUCTION "07-16-14" at 434.239,383.489 h0.79; CONSTRUCTION "S52P32" at 416.797,366.4 h0.79; CONSTRUCTION "1 PLCS" at 416.743,364.947 h0.79; CONSTRUCTION "8" at 446.684,373.583 h0.64; CONSTRUCTION "1" at 428.904,373.583 h0.64; CONSTRUCTION "7" at 444.144,373.583 h0.64; CONSTRUCTION "6" at 441.604,373.583 h0.64; CONSTRUCTION "5" at 439.064,373.583 h0.64; CONSTRUCTION "4" at 436.524,373.583 h0.64; CONSTRUCTION "3" at 433.984,373.583 h0.64; CONSTRUCTION "2" at 431.444,373.583 h0.64; Top Overlay "8" at 448.259,373.067 h1.02
J2: CONSTRUCTION "REV3" at 414.839,390.652 h1.02 r270; CONSTRUCTION "2.54" at 419.665,399.161 h1.02 r90; CONSTRUCTION "2.49" at 423.094,382.524 h1.02; CONSTRUCTION "4.95" at 411.791,400.177 h1.02 r90; CONSTRUCTION "2" at 414.585,387.604 h0.64; CONSTRUCTION "1" at 414.585,390.144 h0.64
J2A1: CONSTRUCTION "2.54" at 437.032,426.555 h0.79 r180; CONSTRUCTION "20.32" at 455.206,431.508 h0.79 r180; CONSTRUCTION "17.78" at 455.079,428.841 h0.79 r180; CONSTRUCTION "2.54" at 452.145,426.809 h0.79 r180; CONSTRUCTION "BODY" at 454.569,433.146 h0.79 r180; CONSTRUCTION "BODY" at 435.519,428.066 h0.79 r180; CONSTRUCTION "TYP" at 454.05,425.526 h0.79 r180; CONSTRUCTION "MOLEX 90147_1108" at 459.707,408.386 h0.79 r180; CONSTRUCTION "8" at 446.557,419.1 h0.64; CONSTRUCTION "C52P32" at 435.467,414.688 h0.79 r180; CONSTRUCTION "7 PLCS" at 435.381,416.001 h0.79 r180; CONSTRUCTION "1X8RCPT_2P54_VT_TH" at 459.765,405.333 h0.79 r180; CONSTRUCTION "REV3" at 459.638,406.73 h0.79 r180; CONSTRUCTION "RE OTIS" at 459.638,410.286 h0.79 r180; CONSTRUCTION "07-16-14" at 459.638,411.937 h0.79 r180; CONSTRUCTION "S52P32" at 469.521,429.027 h0.79 r180; CONSTRUCTION "1 PLCS" at 469.575,430.479 h0.79 r180; CONSTRUCTION "6" at 451.764,421.843 h0.64 r180; CONSTRUCTION "7" at 449.224,421.843 h0.64 r180; CONSTRUCTION "2" at 461.924,421.843 h0.64 r180; CONSTRUCTION "8" at 446.684,421.843 h0.64 r180; CONSTRUCTION "3" at 459.384,421.843 h0.64 r180; CONSTRUCTION "5" at 454.304,421.843 h0.64 r180; CONSTRUCTION "4" at 456.844,421.843 h0.64 r180; CONSTRUCTION "1" at 464.464,421.843 h0.64 r180; Top Overlay "8" at 444.754,421.437 h1.02
J2B1: CONSTRUCTION "2.54" at 483.514,367.728 h0.79; CONSTRUCTION "25.4" at 464.35,363.029 h0.79; CONSTRUCTION "1.0000" at 458.254,363.029 h0.79; CONSTRUCTION "22.86" at 462.674,366.712 h0.79; CONSTRUCTION "2.54" at 466.496,368.744 h0.79; CONSTRUCTION "BODY" at 462.189,361.264 h0.79; CONSTRUCTION "BODY" at 482.255,366.09 h0.79; CONSTRUCTION "TYP" at 470.687,368.63 h0.79; CONSTRUCTION "MOLEX 90147_1110" at 457.03,388.564 h0.79; CONSTRUCTION "10" at 475.336,373.075 h0.64; CONSTRUCTION "C52P32" at 485.333,380.611 h0.79; CONSTRUCTION "9 PLCS" at 485.419,379.298 h0.79; CONSTRUCTION "1X10RCPT_2P54_VT_TH" at 456.971,391.871 h0.79; CONSTRUCTION "REV3" at 457.099,390.22 h0.79; CONSTRUCTION "RE OTIS" at 457.099,386.664 h0.79; CONSTRUCTION "07-16-14" at 457.099,385.013 h0.79; CONSTRUCTION "S52P32" at 438.768,366.019 h0.79; CONSTRUCTION "1 PLCS" at 438.714,364.566 h0.79; CONSTRUCTION "7" at 465.988,373.583 h0.64; CONSTRUCTION "1" at 450.748,373.583 h0.64; CONSTRUCTION "2" at 453.288,373.583 h0.64; CONSTRUCTION "3" at 455.828,373.583 h0.64; CONSTRUCTION "4" at 458.368,373.583 h0.64; CONSTRUCTION "5" at 460.908,373.583 h0.64; CONSTRUCTION "6" at 463.448,373.583 h0.64; CONSTRUCTION "10" at 473.354,373.583 h0.64; CONSTRUCTION "9" at 471.068,373.583 h0.64; CONSTRUCTION "8" at 468.528,373.583 h0.64; Top Overlay "10" at 473.719,375.945 h1.02 r90
J3: CONSTRUCTION "6.52" at 499.912,366.786 h0.79 r90; CONSTRUCTION "4.31" at 497.092,354.035 h0.79 r90; CONSTRUCTION "0.7" at 497.092,379.067 h0.79 r90; CONSTRUCTION "5.6" at 492.393,358.112 h0.79 r90; CONSTRUCTION "7.5" at 480.455,360.906 h0.79 r90; CONSTRUCTION "6.45" at 483.122,360.004 h0.79 r90; CONSTRUCTION "2.6" at 484.9,360.779 h0.79 r90; CONSTRUCTION "1.3" at 486.551,360.779 h0.79 r90; CONSTRUCTION "0.9" at 487.694,378.051 h0.79 r90; CONSTRUCTION "1.45" at 495.568,383.88 h0.79 r90; CONSTRUCTION "3.35" at 490.996,383.88 h0.79 r90; CONSTRUCTION "2 PLCS" at 496.856,382.102 h0.79 r90; CONSTRUCTION "S75" at 497.476,379.689 h0.79 r90; CONSTRUCTION "R16X53" at 479.511,383.668 h0.79 r90; CONSTRUCTION "5 PLCS" at 480.824,383.753 h0.79 r90; CONSTRUCTION "2 PLCS" at 496.729,356.194 h0.79 r90; CONSTRUCTION "O52X100P28X76" at 491.177,358.861 h0.79 r90; CONSTRUCTION "R55X63" at 483.194,382.398 h0.79 r90; CONSTRUCTION "2 PLCS" at 484.507,382.483 h0.79 r90; CONSTRUCTION "BODY" at 480.453,360.004 h0.79 r90; CONSTRUCTION "TYCO:  2013499-1" at 472.573,364.508 h0.79 r90; CONSTRUCTION "BODY" at 492.264,356.829 h0.79 r90; CONSTRUCTION "RCPT_USB_5P_DIP_SM" at 469.521,364.577 h0.79 r90; CONSTRUCTION "REV1" at 470.918,364.577 h0.79 r90; CONSTRUCTION "H. NGUYEN" at 474.474,364.577 h0.79 r90; CONSTRUCTION "02-07-12" at 476.125,364.577 h0.79 r90; CONSTRUCTION "MT1" at 491.746,367.059 h0.64 r90; CONSTRUCTION "MT2" at 491.746,369.46 h0.64 r90; CONSTRUCTION "MT5" at 489.296,365.06 h0.64 r90; CONSTRUCTION "MT6" at 489.296,371.509 h0.64 r90; CONSTRUCTION "5" at 489.579,369.559 h0.64 r90; CONSTRUCTION "MT4" at 491.746,371.519 h0.64 r90; CONSTRUCTION "MT3" at 491.746,365 h0.64 r90; CONSTRUCTION "4" at 489.579,368.909 h0.64 r90; CONSTRUCTION "1" at 489.579,366.959 h0.64 r90; CONSTRUCTION "3" at 489.579,368.259 h0.64 r90; CONSTRUCTION "2" at 489.579,367.609 h0.64 r90; OUTLINE "BOARD EDGE" at 494.921,364.449 h0.79 r90
J4: CONSTRUCTION "5" at 430.632,398.602 h0.64; CONSTRUCTION "6" at 424.282,398.602 h0.64; CONSTRUCTION "CONN6_H18587001" at 424.561,396.169 h0.79 r180; CONSTRUCTION "C64P49TH" at 424.609,397.393 h0.79 r180; CONSTRUCTION "S64P49TH" at 424.609,398.503 h0.79 r180; CONSTRUCTION "7-31-13" at 424.538,399.611 h0.79 r180; CONSTRUCTION "REVA" at 424.467,395.178 h0.79 r180; CONSTRUCTION "2" at 424.409,393.395 h0.64; CONSTRUCTION "COMP_TYPE_THMT" at 424.508,394.068 h0.79 r180; CONSTRUCTION "6" at 426.237,398.983 h0.64 r180; CONSTRUCTION "4" at 426.237,396.443 h0.64 r180; CONSTRUCTION "1" at 428.777,393.903 h0.64 r180; CONSTRUCTION "3" at 428.777,396.443 h0.64 r180; CONSTRUCTION "5" at 428.777,398.983 h0.64 r180; CONSTRUCTION "2" at 426.237,393.903 h0.64 r180; Top Overlay "5" at 430.682,399.288 h1.27; Top Overlay "2" at 423.85,393.37 h1.02; Bottom Overlay "5" at 431.317,398.551 h1.02; Bottom Overlay "6" at 425.018,398.475 h1.02; Bottom Overlay "2" at 424.637,393.497 h1.02; ASSEMBLY_BOTTOM "5" at 431.444,398.678 h1.02; ASSEMBLY_BOTTOM "6" at 424.332,398.577 h1.02; ASSEMBLY_BOTTOM "2" at 424.866,393.167 h1.02
J5: CONSTRUCTION "10-11-11" at 416.034,416.72 h0.79 r180; CONSTRUCTION "FREEDOMCAD" at 416.034,415.069 h0.79 r180; CONSTRUCTION "REV1" at 416.034,411.513 h0.79 r180; CONSTRUCTION "CONN_SDCARD_8P_PP" at 415.968,409.611 h0.79 r180; CONSTRUCTION "MOLEX: 104031-0811" at 416.103,413.169 h0.79 r180; CONSTRUCTION "10" at 400.736,421.361 h0.64; CONSTRUCTION "9" at 401.701,425.298 h0.64; CONSTRUCTION "8" at 413.614,432.638 h0.64; CONSTRUCTION "10" at 403.129,422.078 h0.64 r180; CONSTRUCTION "G3" at 412.599,421.103 h0.64 r180; CONSTRUCTION "G4" at 406.629,421.103 h0.64 r180; CONSTRUCTION "6" at 411.518,431.928 h0.64 r180; CONSTRUCTION "G2" at 414.624,431.578 h0.64 r180; CONSTRUCTION "G1" at 403.304,431.803 h0.64 r180; CONSTRUCTION "9" at 403.383,425.778 h0.64 r180; CONSTRUCTION "7" at 412.618,431.928 h0.64 r180; CONSTRUCTION "8" at 413.668,431.928 h0.64 r180; CONSTRUCTION "1" at 406.018,431.928 h0.64 r180; CONSTRUCTION "2" at 407.118,431.928 h0.64 r180; CONSTRUCTION "3" at 408.218,431.928 h0.64 r180; CONSTRUCTION "5" at 410.418,431.928 h0.64 r180; CONSTRUCTION "4" at 409.318,431.928 h0.64 r180; OUTLINE "CARD AREA" at 418.719,431.14 h0.64; Top Overlay "10" at 399.745,421.361 h1.02; Top Overlay "9" at 401.65,425.094 h1.27; Top Overlay "8" at 414.045,433.095 h1.27 r90
J6: CONSTRUCTION "REV A" at 503.524,404.489 h0.79 r90; CONSTRUCTION "CONN4_D23040001" at 506.485,402.64 h0.79 r90; CONSTRUCTION "S56P38TH" at 507.872,402.64 h0.79 r90; CONSTRUCTION "1-2-08" at 512.147,402.754 h0.79 r90; CONSTRUCTION "C56P38TH" at 509.315,402.64 h0.79 r90; CONSTRUCTION "C106P91TH" at 510.702,402.754 h0.79 r90; CONSTRUCTION "4" at 483.607,412.906 h0.64 r90; CONSTRUCTION "4" at 486.031,412.945 h0.64 r90; CONSTRUCTION "MH1" at 488.233,402.873 h0.64 r90; CONSTRUCTION "MH2" at 488.233,416.013 h0.64 r90; CONSTRUCTION "3" at 486.031,410.445 h0.64 r90; CONSTRUCTION "2" at 486.031,408.445 h0.64 r90; CONSTRUCTION "1" at 486.031,405.944 h0.64 r90; Top Overlay "4" at 483.455,412.906 h1.02 r90; Bottom Overlay "4" at 483.529,412.962 h0.79 r90; ASSEMBLY_BOTTOM "4" at 483.511,412.962 h0.79 r90
J7: CONSTRUCTION "HIROSE CL684-4147-3-51" at 391.176,368.125 h0.79; CONSTRUCTION "LPID_NONE" at 391.193,369.49 h0.79; CONSTRUCTION "REVA" at 391.176,370.746 h0.79; CONSTRUCTION "29" at 395.396,373.015 h0.3; CONSTRUCTION "38" at 396.996,376.072 h0.3; CONSTRUCTION "40" at 397.396,376.072 h0.3; CONSTRUCTION "49" at 399.396,373.015 h0.3; CONSTRUCTION "5" at 390.717,373.015 h0.3; CONSTRUCTION "13" at 392.196,373.015 h0.3; CONSTRUCTION "11" at 391.796,373.015 h0.3; CONSTRUCTION "9" at 391.517,373.015 h0.3; CONSTRUCTION "15" at 392.596,373.015 h0.3; CONSTRUCTION "1" at 389.796,373.015 h0.3; CONSTRUCTION "56" at 400.596,376.072 h0.3; CONSTRUCTION "16" at 392.596,376.072 h0.3; CONSTRUCTION "18" at 392.996,376.072 h0.3; CONSTRUCTION "27" at 394.996,373.015 h0.3; CONSTRUCTION "22" at 393.796,376.072 h0.3; CONSTRUCTION "63" at 402.196,373.015 h0.3; CONSTRUCTION "3" at 390.317,373.015 h0.3; CONSTRUCTION "55" at 400.596,373.015 h0.3; CONSTRUCTION "66" at 402.596,376.072 h0.3; CONSTRUCTION "61" at 401.796,373.015 h0.3; CONSTRUCTION "17" at 392.996,373.015 h0.3; CONSTRUCTION "33" at 396.196,373.015 h0.3; CONSTRUCTION "62" at 401.796,376.072 h0.3; CONSTRUCTION "35" at 396.596,373.015 h0.3; CONSTRUCTION "64" at 402.196,376.072 h0.3; CONSTRUCTION "39" at 397.396,373.015 h0.3; CONSTRUCTION "37" at 396.996,373.015 h0.3; CONSTRUCTION "53" at 400.196,373.015 h0.3; CONSTRUCTION "65" at 402.596,373.015 h0.3; CONSTRUCTION "57" at 400.996,373.015 h0.3; CONSTRUCTION "60" at 401.396,376.072 h0.3; CONSTRUCTION "58" at 400.996,376.072 h0.3; CONSTRUCTION "68" at 402.996,376.072 h0.3; CONSTRUCTION "70" at 403.396,376.072 h0.3; CONSTRUCTION "59" at 401.396,373.015 h0.3; CONSTRUCTION "46" at 398.596,376.072 h0.3; CONSTRUCTION "51" at 399.796,373.015 h0.3; CONSTRUCTION "45" at 398.596,373.015 h0.3; CONSTRUCTION "30" at 395.396,376.072 h0.3; CONSTRUCTION "28" at 394.996,376.072 h0.3; CONSTRUCTION "26" at 394.596,376.072 h0.3; CONSTRUCTION "20" at 393.396,376.072 h0.3; CONSTRUCTION "43" at 398.196,373.015 h0.3; CONSTRUCTION "67" at 402.996,373.015 h0.3; CONSTRUCTION "41" at 397.796,373.015 h0.3; CONSTRUCTION "54" at 400.196,376.072 h0.3; CONSTRUCTION "50" at 399.396,376.072 h0.3; CONSTRUCTION "7" at 391.117,373.015 h0.3; CONSTRUCTION "47" at 398.996,373.015 h0.3; CONSTRUCTION "48" at 398.996,376.072 h0.3; CONSTRUCTION "52" at 399.796,376.072 h0.3; CONSTRUCTION "31" at 395.796,373.015 h0.3; CONSTRUCTION "69" at 403.396,373.015 h0.3; CONSTRUCTION "23" at 394.196,373.015 h0.3; CONSTRUCTION "21" at 393.796,373.015 h0.3; CONSTRUCTION "24" at 394.196,376.072 h0.3; CONSTRUCTION "36" at 396.596,376.072 h0.3; CONSTRUCTION "32" at 395.796,376.072 h0.3; CONSTRUCTION "25" at 394.596,373.015 h0.3; CONSTRUCTION "34" at 396.196,376.072 h0.3; CONSTRUCTION "19" at 393.396,373.015 h0.3; CONSTRUCTION "12" at 391.796,376.072 h0.3; CONSTRUCTION "10" at 391.396,376.072 h0.3; CONSTRUCTION "8" at 391.117,376.072 h0.3; CONSTRUCTION "14" at 392.196,376.072 h0.3; CONSTRUCTION "6" at 390.717,376.072 h0.3; CONSTRUCTION "4" at 390.317,376.072 h0.3; CONSTRUCTION "2" at 389.917,376.072 h0.3; CONSTRUCTION "44" at 398.196,376.072 h0.3; CONSTRUCTION "42" at 397.796,376.072 h0.3; Top Overlay "2" at 389.909,376.73 h0.3; Top Overlay "70" at 403.36,376.751 h0.3; Top Overlay "69" at 403.376,371.999 h0.3
J8: CONSTRUCTION "3.05" at 454.298,419.742 h1.02 r180; CONSTRUCTION "7.62" at 468.395,400.057 h1.02 r270; CONSTRUCTION "2.54" at 459.505,401.581 h1.02 r270; CONSTRUCTION "REV4" at 465.347,411.233 h1.02 r90; CONSTRUCTION "1" at 464.585,410.471 h0.64 r180; CONSTRUCTION "2" at 464.432,413.011 h1.02 r180; CONSTRUCTION "3" at 464.585,415.551 h0.64 r180; Top Overlay "3" at 466.877,415.036 h1.02
J9: CONSTRUCTION "3.05" at 446.798,419.742 h1.02 r180; CONSTRUCTION "7.62" at 460.895,400.057 h1.02 r270; CONSTRUCTION "2.54" at 452.005,401.581 h1.02 r270; CONSTRUCTION "REV4" at 457.847,411.233 h1.02 r90; CONSTRUCTION "2" at 456.932,413.011 h1.02 r180; CONSTRUCTION "1" at 457.085,410.471 h0.64 r180; CONSTRUCTION "3" at 457.085,415.551 h0.64 r180; Top Overlay "3" at 459.435,415.036 h1.02
J10: CONSTRUCTION "REV3" at 379.839,398.123 h1.02 r90; CONSTRUCTION "2.54" at 375.013,389.614 h1.02 r270; CONSTRUCTION "2.49" at 371.584,406.251 h1.02 r180; CONSTRUCTION "4.95" at 382.887,388.598 h1.02 r270; CONSTRUCTION "1" at 379.585,398.631 h0.64 r180; CONSTRUCTION "2" at 379.585,401.171 h0.64 r180; Top Overlay "2" at 377.546,400.964 h1.02
J11: CONSTRUCTION "REV3" at 415.214,377.622 h1.02 r270; Top Overlay "5" at 413.207,370.383 h1.27
J12: CONSTRUCTION "REV3" at 417.754,380.162 h1.02 r270; Top Overlay "5" at 420.675,372.897 h1.27
J13: CONSTRUCTION "3.05" at 415.36,415.362 h1.02 r90; CONSTRUCTION "7.62" at 395.675,401.265 h1.02 r180; CONSTRUCTION "2.54" at 397.199,410.155 h1.02 r180; CONSTRUCTION "REV4" at 406.851,404.313 h1.02; CONSTRUCTION "1" at 405.835,404.821 h0.64 r90; CONSTRUCTION "3" at 410.915,404.821 h0.64 r90; CONSTRUCTION "2" at 408.222,404.821 h1.02 r90; Top Overlay "3" at 410.947,406.679 h1.02
J14: CONSTRUCTION "REV3" at 386.089,398.123 h1.02 r90; CONSTRUCTION "2.54" at 381.263,389.614 h1.02 r270; CONSTRUCTION "2.49" at 377.834,406.251 h1.02 r180; CONSTRUCTION "4.95" at 389.137,388.598 h1.02 r270; CONSTRUCTION "2" at 385.835,401.171 h0.64 r180; CONSTRUCTION "1" at 385.835,398.631 h0.64 r180; Top Overlay "2" at 383.769,401.091 h1.02
J15: CONSTRUCTION "REV3" at 392.339,398.123 h1.02 r90; CONSTRUCTION "2.54" at 387.513,389.614 h1.02 r270; CONSTRUCTION "2.49" at 384.084,406.251 h1.02 r180; CONSTRUCTION "4.95" at 395.387,388.598 h1.02 r270; CONSTRUCTION "2" at 392.085,401.171 h0.64 r180; CONSTRUCTION "1" at 392.085,398.631 h0.64 r180; Top Overlay "2" at 389.992,400.964 h1.02